# Altium PCB ASP-1.PcbDoc (part 3 of 3)
Units mm, origin at the board's own origin, x right, y up, seen from the top; angles counter-clockwise.
Board outline 240 x 170 mm, 2 copper layers (Top Layer, Bottom Layer); 307 components, 287 nets, 1387 pads, 381 vias.
Unrouted connection lines stored in the file: 2.
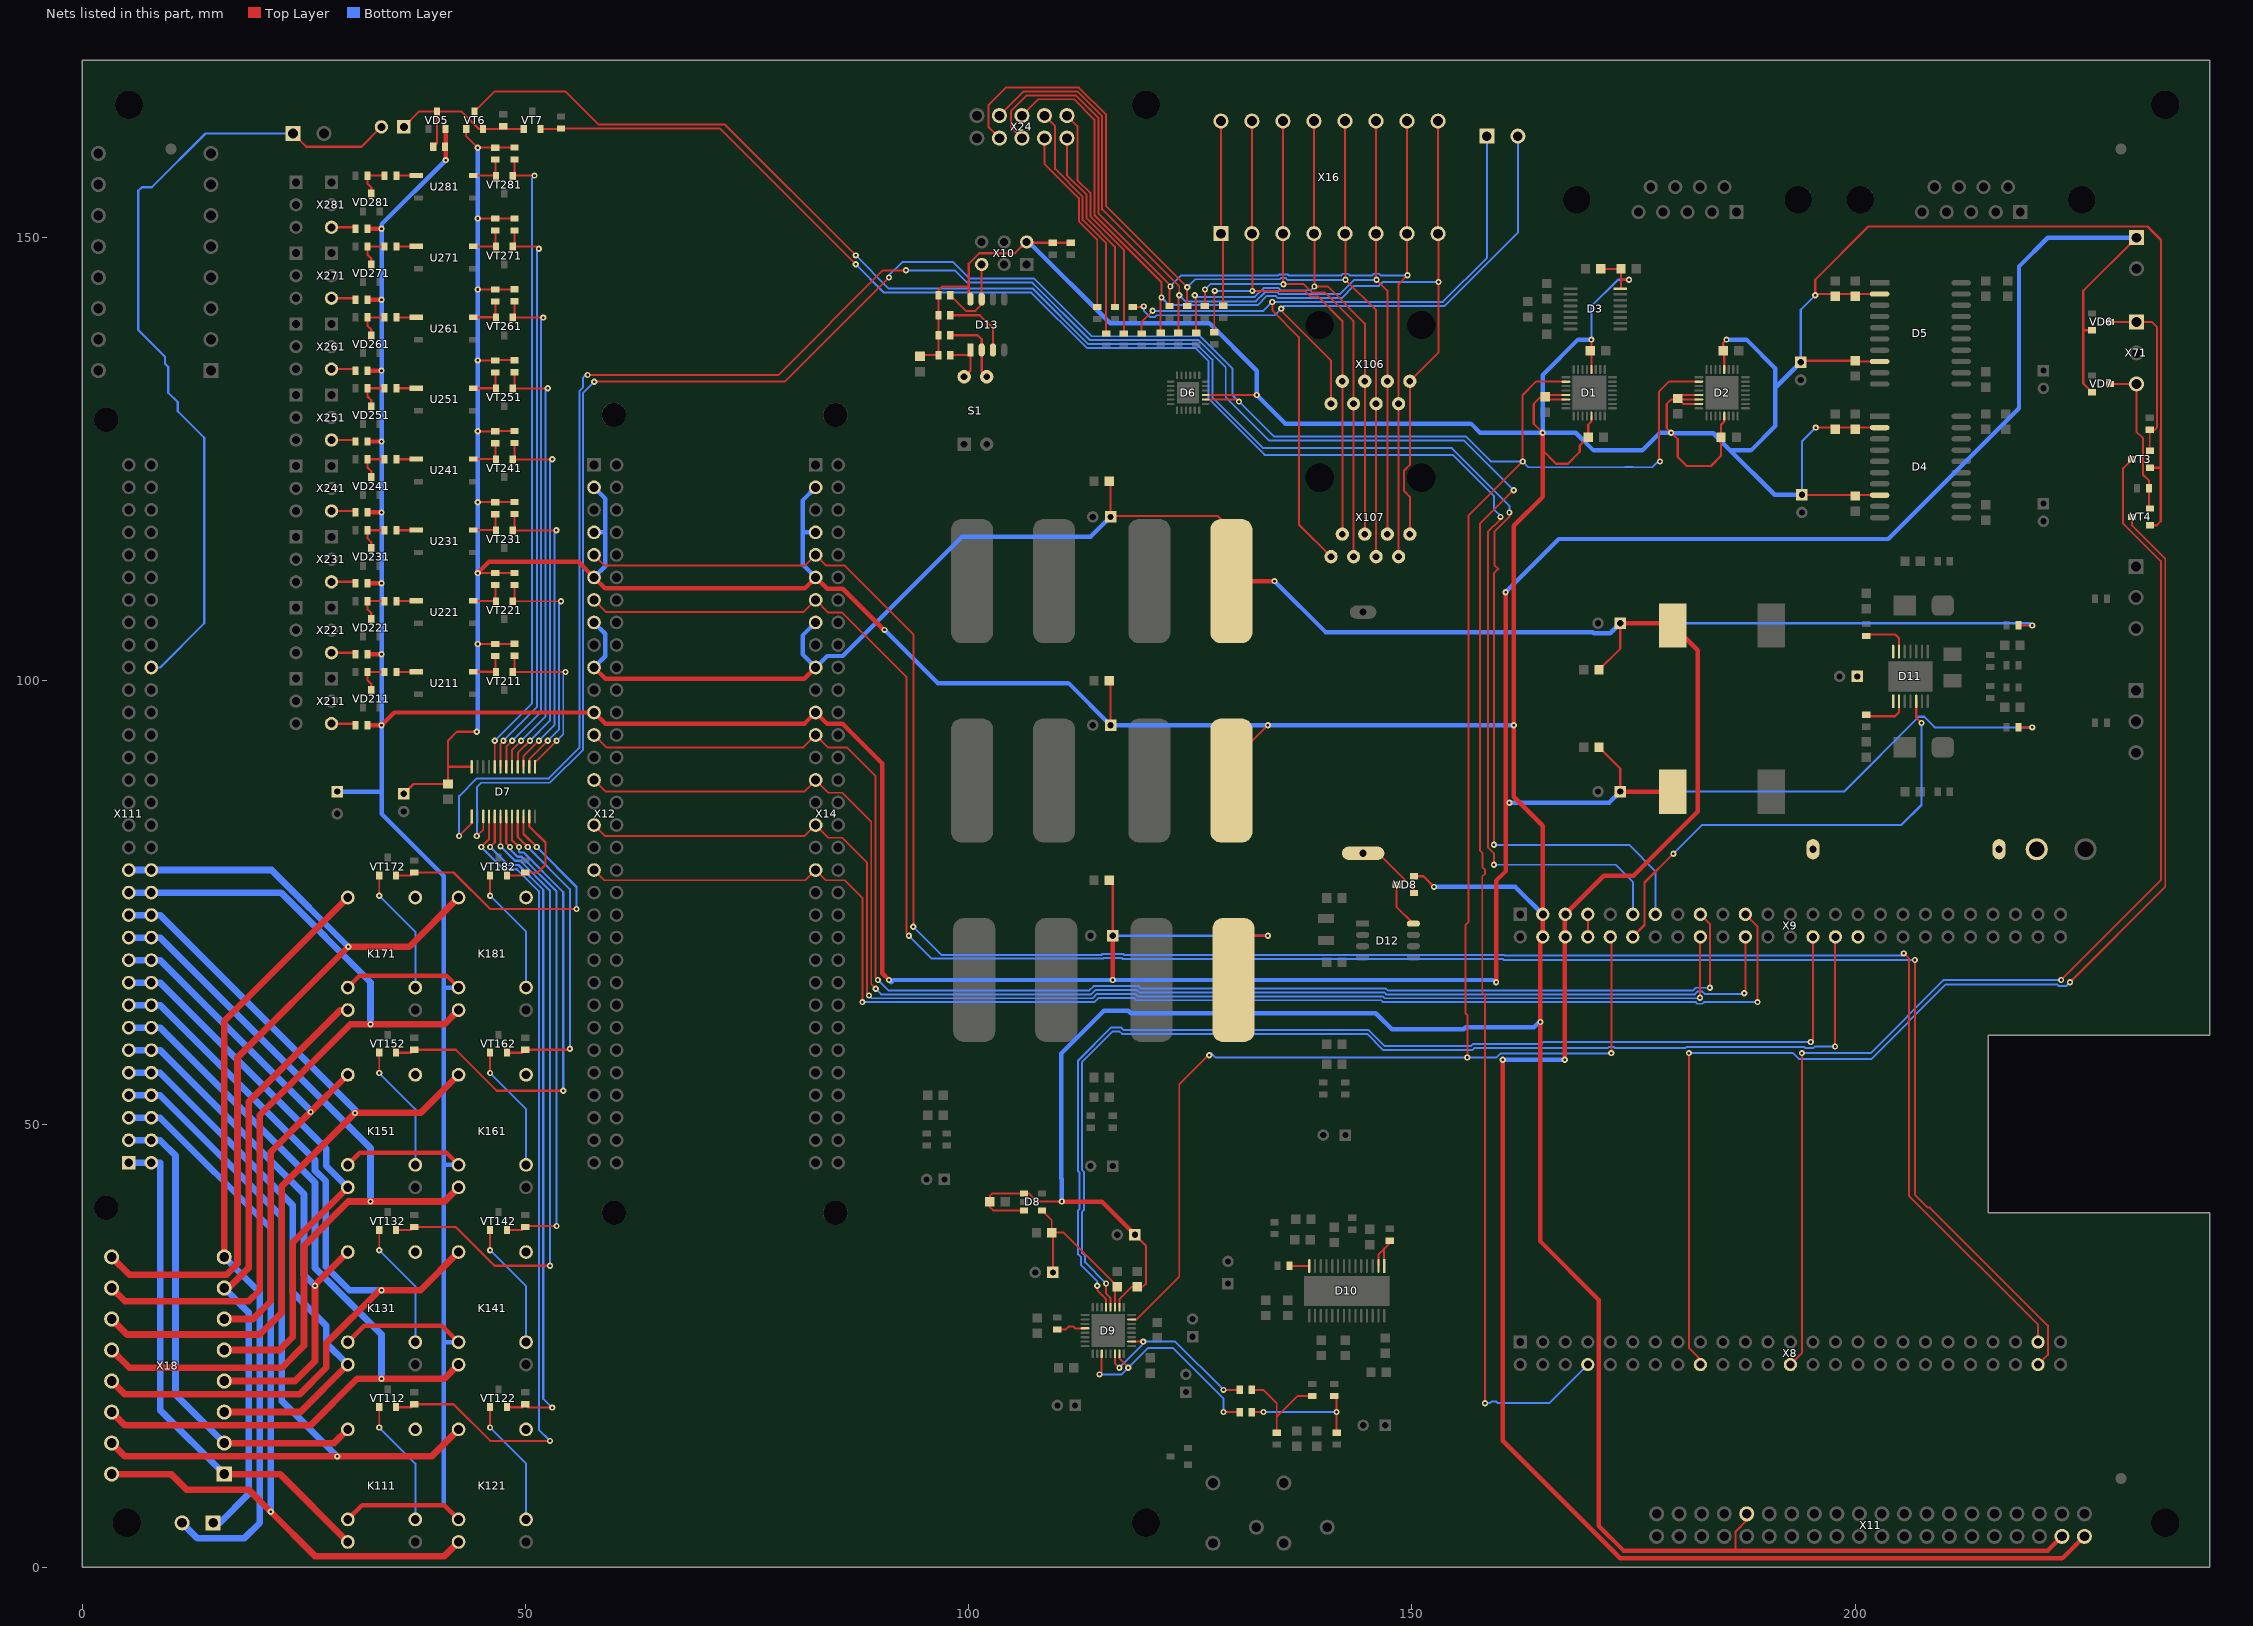
[diagram p3: the nets of this part, all layers, seen from the top]

## Via types
v1: diameter 0.7, hole 0.3, Top Layer to Bottom Layer, tented both sides, 381 vias

## Nets (pads, with @x,y where several pads share a name; then routed paths per layer and width w, separated by ;. In a path a pad name is that pad's centre, name@x,y a point inside that pad or via, vN(x,y) a via of type N, cw(c..) or ccw(c..) an arc to the next point about the centre after c; other vN are vias at no path point) (continued)
NetD7_1: D7.1 X8.8 | length 306
  Top Layer w0.22: v1(42.5,82.5) 43.925,83.925 D7.1@43.925,84.7 ; v1(57,134.5) 78.5,134.5 90.32,146.32 v1(92.93,146.32) ; v1(158.25,18.5) 158.25,64.505 157.94,64.815 157.94,77.935 158.25,78.245 158.25,78.666 157.99,78.926 157.99,80.553 157.69,80.854 157.69,117.774 161.416,121.5 v1(161.5,121.5)
  Bottom Layer w0.22: v1(42.5,82.5) 42.5,87 44.5,89 52.628,89 56.06,92.432 56.06,132.682 56.5,133.122 56.5,134.25 56.75,134.5 v1(57,134.5) ; v1(92.93,146.32) 98.43,146.32 99.81,144.94 107.182,144.94 113.682,138.44 125.943,138.44 129,135.383 129,132 133.87,127.13 155.87,127.13 v1(161.5,121.5) ; v1(158.25,18.5) 158.788,18.5 158.968,18.68 159.532,18.68 159.712,18.5 165.489,18.5 X8.8@169.845,22.856
NetD9_4: D9.4 X9.30 | length 129.2
  Top Layer w0.22: v1(115.5,32) 115.5,30.867 116,30.367 D9.4@116,29.325 ; v1(197.75,58.75) 197.75,71.081 X9.30@197.785,71.116
  Bottom Layer w0.22: v1(115.5,32) 113.12,34.38 113.12,35.13 112.77,35.48 112.77,40.069 113,40.299 113,44.614 112.77,44.844 112.77,56.982 116.218,60.43 117.032,60.43 117.302,60.16 144.951,60.16 146.771,58.34 156.809,58.34 157.039,58.57 172.108,58.57 172.218,58.68 172.782,58.68 172.892,58.57 180.858,58.57 180.968,58.68 194.282,58.68 194.392,58.57 195.282,58.57 195.462,58.75 v1(197.75,58.75)
NetD9_5: D9.5 X9.28 | length 126.5
  Top Layer w0.22: v1(114.5,31.745) 114.5,31.245 115.5,30.245 D9.5@115.5,29.325 ; v1(195,59.25) 195.245,59.495 X9.28@195.245,71.116
  Bottom Layer w0.22: v1(114.5,31.745) 114.5,32.25 112.68,34.07 112.68,34.948 112.33,35.298 112.33,40.252 112.5,40.422 112.5,44.492 112.33,44.662 112.33,57.164 116.036,60.87 117.214,60.87 117.484,60.6 145.133,60.6 146.953,58.78 156.627,58.78 156.867,59.02 164.566,59.02 164.796,59.25 v1(195,59.25)
NetD9_12: D9.12 R6.1 | length 3.3
  Top Layer w0.22: R6.1@110,26.825 110.963,26.825 111.268,27.13 111.832,27.13 112.012,26.95 D9.12@113.125,26.95
NetD9_19: D9.19 D9.23 R45.1 | length 25.4
  Top Layer w0.22: v1(114.75,21.75) 115,22 D9.19@115,24.075 ; D9.23@117,24.075 117,23.557 118,22.557 v1(118,22.5) ; v1(128.75,17.5) R45.1@130.575,17.5
  Bottom Layer w0.22: v1(114.75,21.75) 117.25,21.75 v1(118,22.5) 120.25,24.75 123,24.75 128.75,19 v1(128.75,17.5)
NetD9_22: D9.22 D9.26 R11.2 | length 20.3
  Top Layer w0.22: D9.22@116.5,24.075 116.5,23 v1(117,22.5) ; D9.26@118.375,25.45 v1(119.7,25.45) ; v1(128.75,20) R11.2@130.575,20
  Bottom Layer w0.22: v1(117,22.5) 119.7,25.2 v1(119.7,25.45) 123.3,25.45 v1(128.75,20)
NetD10_1: D10.1 D10.2 R4.2 | length 5.3
  Top Layer w0.22: D10.2@146.225,33.975 146.225,35.25 146.875,35.9 ; D10.1@146.875,33.975 146.875,35.9 ; R4.2@147.5,36.825 147.5,36.575 146.875,35.95 146.875,35.9
NetD10_14: D10.14 R7.1 | length 2.3
  Top Layer w0.22: R7.1@136.175,34 136.2,33.975 D10.14@138.425,33.975
NetD11_2: D11.2 R15.2 | length 5.2
  Top Layer w0.25: R15.2@201.25,96.175 201.425,96 204.5,96 204.95,96.45 D11.2@204.95,97.7
NetD11_5: D11.5 X9.12 | length 53.5
  Top Layer w0.25: X9.12@174.925,71.116 176.25,72.441 176.25,77.25 v1(179.5,80.5) ; D11.5@206.9,97.7 206.9,95.85 v1(207.5,95.25)
  Bottom Layer w0.25: v1(179.5,80.5) 182.75,83.75 205.25,83.75 207.5,86 v1(207.5,95.25)
NetD11_13: D11.13 R18.1 | length 5.4
  Top Layer w0.25: R18.1@201.25,105.23 204.52,105.23 204.95,104.8 D11.13@204.95,103.3
NetD12_8: D12.8 VD8.3 | length 5.2
  Top Layer w0.25: VD8.3@148.25,77 148.25,74.525 D12.8@150.17,72.605
NetD13_1: D13.1 R40.1 S1.2 | length 5
  Top Layer w0.25: R40.1@97.925,136.75 100.195,136.75 100.195,135.025 S1.2@99.48,134.31
NetD13_2: D13.2 R39.1 S1.4 | length 8.2
  Top Layer w0.25: R39.1@97.925,139 101,139 101.465,138.535 D13.2@101.465,137.33 101.465,134.865 S1.4@102.02,134.31
NetD13_3: D13.3 R38.1 | length 7.9
  Top Layer w0.25: R38.1@97.925,141.25 101.25,141.25 102.735,139.765 D13.3@102.735,137.33
NetF1_1: F1.1 X25.1
NetG1_+: G1.+ VD8.1 | length 7.9
  Top Layer w0.25: G1.+@144.5,80.55 146.2,80.55 150.25,76.5 VD8.1@150.25,76.05
NetJ15_1: J15.1 R42.1 R43.2 VD5.3 VT6.2 VT7.1 | length 19.3
  Top Layer w0.25: J15.1@36.27,162.5 38.02,164.25 VD5.3@40,164.25 ; R42.1@39.575,160.25 40,160.675 VD5.3@40,164.25 ; VT7.1@49.8,162.25 VT6.2@45.2,162.25 44.75,162.25 42.75,164.25 VD5.3@40,164.25
NetJ15_2: J15.2 X20.1 X111.B23 | length 91.6
  Top Layer w0.25: X20.1@23.75,161.75 25.25,160.25 31.48,160.25 J15.2@33.73,162.5
  Bottom Layer w0.25: X111.B23@7.77,101.51 8.77,101.51 13.75,106.49 13.75,127.432 10.755,130.427 10.755,131.452 9.695,132.512 9.695,135.418 9.325,135.788 9.325,136.568 6.305,139.588 6.305,155.288 6.712,155.695 7.288,155.695 7.838,155.695 13.893,161.75 X20.1@23.75,161.75
NetK111_4: K111.5 VT112.1 | length 14.3
  Top Layer w0.22: VT112.1@33.49,18.05 33.49,15.76 v1(33.5,15.75)
  Bottom Layer w0.22: v1(33.5,15.75) 37.56,11.69 K111.5@37.56,5.39
NetK121_4: K121.5 VT122.1 | length 14.3
  Top Layer w0.22: VT122.1@45.99,18.05 45.99,15.76 v1(46,15.75)
  Bottom Layer w0.22: v1(46,15.75) 50.06,11.69 K121.5@50.06,5.39
NetK131_4: K131.5 VT132.1 | length 14.3
  Top Layer w0.22: VT132.1@33.49,38.05 33.49,35.76 v1(33.5,35.75)
  Bottom Layer w0.22: v1(33.5,35.75) 37.56,31.69 K131.5@37.56,25.39
NetK141_4: K141.5 VT142.1 | length 14.3
  Top Layer w0.22: VT142.1@45.99,38.05 45.99,35.76 v1(46,35.75)
  Bottom Layer w0.22: v1(46,35.75) 50.06,31.69 K141.5@50.06,25.39
NetK151_4: K151.5 VT152.1 | length 14.3
  Top Layer w0.22: VT152.1@33.49,58.05 33.49,55.76 v1(33.5,55.75)
  Bottom Layer w0.22: v1(33.5,55.75) 37.56,51.69 K151.5@37.56,45.39
NetK161_4: K161.5 VT162.1 | length 14.3
  Top Layer w0.22: VT162.1@45.99,58.05 45.99,55.76 v1(46,55.75)
  Bottom Layer w0.22: v1(46,55.75) 50.06,51.69 K161.5@50.06,45.39
NetK171_4: K171.5 VT172.1 | length 14.3
  Top Layer w0.22: VT172.1@33.49,78.05 33.49,75.76 v1(33.5,75.75)
  Bottom Layer w0.22: v1(33.5,75.75) 37.56,71.69 K171.5@37.56,65.39
NetK181_4: K181.5 VT182.1 | length 14.3
  Top Layer w0.22: VT182.1@45.99,78.05 45.99,75.76 v1(46,75.75)
  Bottom Layer w0.22: v1(46,75.75) 50.06,71.69 K181.5@50.06,65.39
NetL3_1: L3.1 R11.1 R46.2 | length 12
  Top Layer w0.22: R11.1@131.925,20 133.25,20 134.75,18.5 134.75,16.75 ; L3.1@134.75,15.175 134.75,16.75 ; R46.2@138.75,19.325 137.113,19.325 134.75,16.962 134.75,16.75
NetL4_1: L4.1 R45.2 R47.2 | length 13.8
  Top Layer w0.22: R45.2@131.925,17.5 v1(133.25,17.5) ; R47.2@141.25,19.325 141.5,19.075 v1(141.5,17.5) L4.1@141.5,15.175
  Bottom Layer w0.22: v1(133.25,17.5) v1(141.5,17.5)
NetR8_1: R8.1 VD7.3 VT4.2 X71.3 | length 17.8
  Top Layer w0.22: VD7.3@228.75,133.5 X71.3@231.5,133.5 ; X71.3@231.75,133.5 X71.3@231.5,133.5 ; VT4.2@233.25,119.45 233.175,119.525 R8.1@233.175,121.75 233.175,122.575 232.47,123.28 232.47,127.402 231.75,128.122 231.75,133.25 X71.3@231.5,133.5
NetR9_1: R9.1 VD6.3 VT3.2 X71.1 | length 20.2
  Top Layer w0.22: X71.1@231.75,140.5 233.5,140.5 234.055,139.945 234.055,128.555 233.825,128.325 R9.1@233.25,128.325 VT3.2@233.25,125.95
  Top Layer w0.25: VD6.3@228.75,140.5 X71.1@231.75,140.5
NetR25_2: R25.2 X16.15 X16.16 X24.5 X106.1 X107.1 | length 118.5
  Top Layer w0.22: X24.5@106,163.77 107.85,165.62 111.885,165.62 114.18,163.325 114.18,152.559 121.75,144.989 v1(121.75,143.25) 121.75,143.2 121.65,143.1 R25.2@121.65,139.275 ; X107.1@149.77,116.55 149.77,120.781 149.11,121.441 149.11,123.699 149.77,124.359 X106.1@149.77,133.8 153,137.03 v1(153,145) 153,150.4 X16.15@152.95,150.45 X16.16@152.95,163.15
  Bottom Layer w0.22: v1(121.75,143.25) 122.62,142.38 132.586,142.38 133.636,143.43 134.614,143.43 134.854,143.19 142.062,143.19 143.442,144.57 146.282,144.57 146.712,145 v1(153,145)
NetR26_2: R26.2 X16.13 X16.14 X24.6 X106.2 X107.2 | length 117.1
  Top Layer w0.22: X24.6@106,161.23 104.75,162.48 104.75,164.25 106.56,166.06 112.068,166.06 114.62,163.508 114.62,152.741 122.75,144.611 v1(122.75,144.5) 122.65,144.4 R26.2@122.65,142.275 ; X107.2@148.5,114.01 X106.2@148.5,131.26 148.5,144.75 v1(149.5,145.75) 149.45,145.8 X16.13@149.45,150.45 X16.14@149.45,163.15
  Bottom Layer w0.22: v1(122.75,144.5) 124,145.75 134.916,145.75 135.036,145.87 135.964,145.87 136.084,145.75 142.038,145.75 142.218,145.93 142.782,145.93 142.962,145.75 145.538,145.75 145.718,145.93 146.282,145.93 146.462,145.75 v1(149.5,145.75)
NetR27_2: R27.2 X16.11 X16.12 X24.7 X106.3 X107.3 | length 112.8
  Top Layer w0.22: X24.7@103.46,163.77 106.19,166.5 112.25,166.5 115.06,163.69 115.06,153.19 123.75,144.5 v1(123.75,143.5) 123.65,143.4 R27.2@123.65,139.275 ; X16.12@145.95,163.15 X16.11@145.95,150.45 145.95,145.3 v1(146,145.25) 147.23,144.02 X106.3@147.23,133.8 X107.3@147.23,116.55
  Bottom Layer w0.22: v1(123.75,143.5) 124.43,142.82 132.404,142.82 133.454,143.87 134.796,143.87 135.036,143.63 141.88,143.63 143.5,145.25 v1(146,145.25)
NetR28_2: R28.2 X16.9 X16.10 X24.8 X106.4 X107.4 | length 113.9
  Top Layer w0.22: X24.8@103.46,161.23 102.25,162.44 102.25,165 104.19,166.94 112.432,166.94 115.5,163.872 115.5,153.55 v1(124.65,144.4) R28.2@124.65,142.275 ; X16.10@142.45,163.15 X16.9@142.45,150.45 142.5,150.4 v1(142.5,145.25) 145.96,141.79 X106.4@145.96,131.26 X107.4@145.96,114.01
  Bottom Layer w0.22: v1(124.65,144.4) 125.56,145.31 135.098,145.31 135.218,145.43 135.782,145.43 135.962,145.25 v1(142.5,145.25)
NetR29_2: R29.2 X16.7 X16.8 X106.5 X107.5 | length 68.7
  Top Layer w0.22: v1(125.5,143.5) 125.65,143.35 R29.2@125.65,139.275 ; X16.7@138.95,150.45 X16.7@138.95,150.75 ; X16.8@138.95,163.15 X16.7@138.95,150.75 ; X107.5@144.69,116.55 X106.5@144.69,133.8 144.69,140.31 140.5,144.5 v1(139,144.5) 139,150.7 X16.7@138.95,150.75
  Bottom Layer w0.22: v1(125.5,143.5) 125.68,143.32 132.282,143.32 133.272,144.31 134.978,144.31 135.218,144.07 138.57,144.07 v1(139,144.5)
NetR30_2: R30.2 X16.5 X16.6 X106.6 X107.6 | length 65.6
  Top Layer w0.22: R30.2@126.65,142.275 v1(126.65,144.15) ; X16.6@135.45,163.15 X16.5@135.45,150.45 135.45,144.8 v1(135.5,144.75) 137.788,144.75 138.718,143.82 140.18,143.82 143.42,140.58 X106.6@143.42,131.26 X107.6@143.42,114.01
  Bottom Layer w0.22: v1(126.65,144.15) 127.25,144.75 v1(135.5,144.75)
NetR31_2: R31.2 X16.3 X16.4 X106.7 X107.7 | length 63.7
  Top Layer w0.22: R31.2@127.7,139.325 127.7,143.95 v1(127.75,144) ; X16.4@131.95,163.15 X16.3@131.95,150.45 132,150.4 v1(132,144) 137.916,144 138.536,143.38 139.37,143.38 142.15,140.6 X106.7@142.15,133.8 X107.7@142.15,116.55
  Bottom Layer w0.22: v1(127.75,144) v1(132,144)
NetR32_2: R32.2 X16.1 X16.2 | length 20.9
  Top Layer w0.22: X16.2@128.45,163.15 X16.1@128.45,150.45 128.7,150.2 R32.2@128.7,142.325
NetR33_2: R33.2 X17.1 X107.8 | length 88.5
  Top Layer w0.22: R33.2@119.5,139.175 119.5,140.5 v1(120.75,141.75) ; v1(134.25,142.75) 134.25,141.788 137.25,138.788 137.25,117.64 X107.8@140.88,114.01
  Bottom Layer w0.22: v1(120.75,141.75) 133.25,141.75 v1(134.25,142.75) 153.5,142.75 158.45,147.7 X17.1@158.45,161.45
NetR34_2: R34.2 X17.2 X106.8 | length 72.1
  Top Layer w0.22: R34.2@118.5,142.175 119.675,142.175 v1(119.75,142.25) ; v1(135.25,142) 135.25,141.75 140.88,136.12 X106.8@140.88,131.26
  Bottom Layer w0.22: v1(119.75,142.25) 119.75,141.75 120.43,141.07 121.032,141.07 121.212,141.25 134.5,141.25 v1(135.25,142) 135.56,142.31 153.682,142.31 161.95,150.578 X17.2@161.95,161.45
NetR41_2: R41.2 VT7.2 X9.11 | length 190
  Top Layer w0.22: VT7.2@51.7,162.25 R41.2@53.675,162.25 ; R41.2@54,162.325 54.015,162.31 71.94,162.31 v1(87.25,147) ; v1(159.25,79.25) 159.25,80.538 158.57,81.218 158.57,116.82 160,118.25 v1(160,118.5)
  Bottom Layer w0.22: v1(87.25,147) 90.44,143.81 107.068,143.81 113.318,137.56 125.568,137.56 127.06,136.068 127.06,131.818 133.378,125.5 154.628,125.5 159.25,120.878 159.25,119.378 160.128,118.5 v1(160,118.5) ; v1(159.25,79.25) 173,79.25 174.925,77.325 X9.11@174.925,73.656
NetR48_2: R48.2 X24.1 | length 27.3
  Top Layer w0.22: X24.1@111.08,163.77 112.26,162.59 112.26,156.485 113.74,155.005 113.74,152.377 117.5,148.617 R48.2@117.5,139.175
NetR49_2: R49.2 X24.2 | length 21.3
  Top Layer w0.22: X24.2@111.08,161.23 111.08,157.042 113.3,154.822 113.3,152.194 116.5,148.995 R49.2@116.5,142.175
NetR50_2: R50.2 X24.3 | length 27.5
  Top Layer w0.22: X24.3@108.54,163.77 109.75,162.56 109.75,157.75 112.86,154.64 112.86,152.012 115.5,149.372 R50.2@115.5,139.175
NetR51_2: R51.2 X24.4 | length 21.5
  Top Layer w0.22: X24.4@108.54,161.23 108.54,158.338 112.42,154.458 112.42,151.83 114.5,149.75 R51.2@114.5,142.175
NetR211_2: R211.2 X211.3 | length 3
  Top Layer w0.25: X211.3@28.27,95 X211.3@28.1,95.17 30.655,95.17 R211.2@30.825,95
NetR212_1: R212.1 R213.2 VD211.3 | length 4.1
  Top Layer w0.25: VD211.3@32.6,98.98 32.6,99.65 32.175,100.075 R212.1@32.175,101 R213.2@34.075,101
NetR213_1: R213.1 U211.1 | length 2.2
  Top Layer w0.25: R213.1@35.425,101 37.63,101 U211.1@37.65,101.02
NetR214_1: R214.1 U211.4 VT211.2 | length 4.3
  Top Layer w0.25: U211.4@44.1,101.02 46.61,101.02 46.61,102.795 R214.1@46.6,102.805
NetR221_2: R221.2 X221.3 | length 3
  Top Layer w0.25: X221.3@28.27,103 X221.3@28.1,103.17 30.655,103.17 R221.2@30.825,103
NetR222_1: R222.1 R223.2 VD221.3 | length 4.1
  Top Layer w0.25: VD221.3@32.6,106.98 32.6,107.65 32.175,108.075 R222.1@32.175,109 R223.2@34.075,109
NetR223_1: R223.1 U221.1 | length 2.2
  Top Layer w0.25: R223.1@35.425,109 37.63,109 U221.1@37.65,109.02
NetR224_1: R224.1 U221.4 VT221.2 | length 4.3
  Top Layer w0.25: U221.4@44.1,109.02 46.61,109.02 46.61,110.795 R224.1@46.6,110.805
NetR231_2: R231.2 X231.3 | length 3
  Top Layer w0.25: X231.3@28.27,111 X231.3@28.1,111.17 30.655,111.17 R231.2@30.825,111
NetR232_1: R232.1 R233.2 VD231.3 | length 4.1
  Top Layer w0.25: VD231.3@32.6,114.98 32.6,115.65 32.175,116.075 R232.1@32.175,117 R233.2@34.075,117
NetR233_1: R233.1 U231.1 | length 2.2
  Top Layer w0.25: R233.1@35.425,117 37.63,117 U231.1@37.65,117.02
NetR234_1: R234.1 U231.4 VT231.2 | length 4.3
  Top Layer w0.25: U231.4@44.1,117.02 46.61,117.02 46.61,118.795 R234.1@46.6,118.805
NetR241_2: R241.2 X241.3 | length 3
  Top Layer w0.25: X241.3@28.27,119 X241.3@28.1,119.17 30.655,119.17 R241.2@30.825,119
NetR242_1: R242.1 R243.2 VD241.3 | length 4.1
  Top Layer w0.25: VD241.3@32.6,122.98 32.6,123.65 32.175,124.075 R242.1@32.175,125 R243.2@34.075,125
NetR243_1: R243.1 U241.1 | length 2.2
  Top Layer w0.25: R243.1@35.425,125 37.63,125 U241.1@37.65,125.02
NetR244_1: R244.1 U241.4 VT241.2 | length 4.3
  Top Layer w0.25: U241.4@44.1,125.02 46.61,125.02 46.61,126.795 R244.1@46.6,126.805
NetR251_2: R251.2 X251.3 | length 3
  Top Layer w0.25: X251.3@28.27,127 X251.3@28.1,127.17 30.655,127.17 R251.2@30.825,127
NetR252_1: R252.1 R253.2 VD251.3 | length 4.1
  Top Layer w0.25: VD251.3@32.6,130.98 32.6,131.65 32.175,132.075 R252.1@32.175,133 R253.2@34.075,133
NetR253_1: R253.1 U251.1 | length 2.2
  Top Layer w0.25: R253.1@35.425,133 37.63,133 U251.1@37.65,133.02
NetR254_1: R254.1 U251.4 VT251.2 | length 4.3
  Top Layer w0.25: U251.4@44.1,133.02 46.61,133.02 46.61,134.795 R254.1@46.6,134.805
NetR261_2: R261.2 X261.3 | length 3
  Top Layer w0.25: X261.3@28.27,135 X261.3@28.1,135.17 30.655,135.17 R261.2@30.825,135
NetR262_1: R262.1 R263.2 VD261.3 | length 4.1
  Top Layer w0.25: VD261.3@32.6,138.98 32.6,139.65 32.175,140.075 R262.1@32.175,141 R263.2@34.075,141
NetR263_1: R263.1 U261.1 | length 2.2
  Top Layer w0.25: R263.1@35.425,141 37.63,141 U261.1@37.65,141.02
NetR264_1: R264.1 U261.4 VT261.2 | length 4.3
  Top Layer w0.25: U261.4@44.1,141.02 46.61,141.02 46.61,142.795 R264.1@46.6,142.805
NetR271_2: R271.2 X271.3 | length 3
  Top Layer w0.25: X271.3@28.27,143 X271.3@28.1,143.17 30.655,143.17 R271.2@30.825,143
NetR272_1: R272.1 R273.2 VD271.3 | length 4.1
  Top Layer w0.25: VD271.3@32.6,146.98 32.6,147.65 32.175,148.075 R272.1@32.175,149 R273.2@34.075,149
NetR273_1: R273.1 U271.1 | length 2.2
  Top Layer w0.25: R273.1@35.425,149 37.63,149 U271.1@37.65,149.02
NetR274_1: R274.1 U271.4 VT271.2 | length 4.3
  Top Layer w0.25: U271.4@44.1,149.02 46.61,149.02 46.61,150.795 R274.1@46.6,150.805
NetR281_2: R281.2 X281.3 | length 3
  Top Layer w0.25: X281.3@28.27,151 X281.3@28.1,151.17 30.655,151.17 R281.2@30.825,151
NetR282_1: R282.1 R283.2 VD281.3 | length 4.1
  Top Layer w0.25: VD281.3@32.6,154.98 32.6,155.65 32.175,156.075 R282.1@32.175,157 R283.2@34.075,157
NetR283_1: R283.1 U281.1 | length 2.2
  Top Layer w0.25: R283.1@35.425,157 37.63,157 U281.1@37.65,157.02
NetR284_1: R284.1 U281.4 VT281.2 | length 4.3
  Top Layer w0.25: U281.4@44.1,157.02 46.61,157.02 46.61,158.795 R284.1@46.6,158.805
NetVT3_3: VT3.3 X8.26 | length 133.9
  Top Layer w0.22: X8.26@192.705,22.856 194,24.151 v1(194,58) ; v1(223.25,66.25) 234.5,77.5 234.5,113.5 230.25,117.75 230.25,124 VT3.3@231.25,125
  Bottom Layer w0.22: v1(194,58) 201.75,58 210,66.25 v1(223.25,66.25)
NetVT4_3: VT4.3 X8.18 | length 141.2
  Top Layer w0.22: v1(181.25,58) 181.25,24.75 182.545,23.455 X8.18@182.545,22.856 ; v1(224.25,66) 235,76.75 235,113.75 231.25,117.5 VT4.3@231.25,118.5
  Bottom Layer w0.22: v1(181.25,58) 193,58 193.68,57.32 201.82,57.32 210.25,65.75 222.788,65.75 222.968,65.57 223.82,65.57 v1(224.25,66)
NetVT6_3: VT6.3 X9.13 | length 203.2
  Top Layer w0.22: VT6.3@44.25,164.25 46.5,166.5 54.5,166.5 58.25,162.75 72.5,162.75 v1(87.25,148) ; v1(159.25,81.5) 159.25,112.127 159.75,112.628 159.31,113.068 159.31,116.81 161,118.5 v1(161,119)
  Bottom Layer w0.22: v1(87.25,148) 91,144.25 107.25,144.25 113.5,138 125.75,138 127.5,136.25 127.5,132 133.25,126.25 154.5,126.25 161,119.75 v1(161,119) ; v1(159.25,81.5) 174.5,81.5 ; 174.5,81.5 177.465,78.535 X9.13@177.465,73.656
ON1: D7.4 R113.2 VT112.2 | length 94.1
  Top Layer w0.25: VT112.2@35.39,18.05 37.115,18.05 R113.2@37.44,18.375 41.875,18.375 46,14.25 v1(52.75,14.25) ; v1(45,81.25) 45.875,82.125 D7.4@45.875,84.7